# Altium PCB SolderingStation.PcbDoc (part 1 of 2)
Units mm, origin at the board's own origin, x right, y up, seen from the top; angles counter-clockwise.
Board outline 138.15 x 60.81 mm, 2 copper layers (Top Layer, Bottom Layer), stack 1.671 mm thick; 227 components, 141 nets, 684 pads, 483 vias.
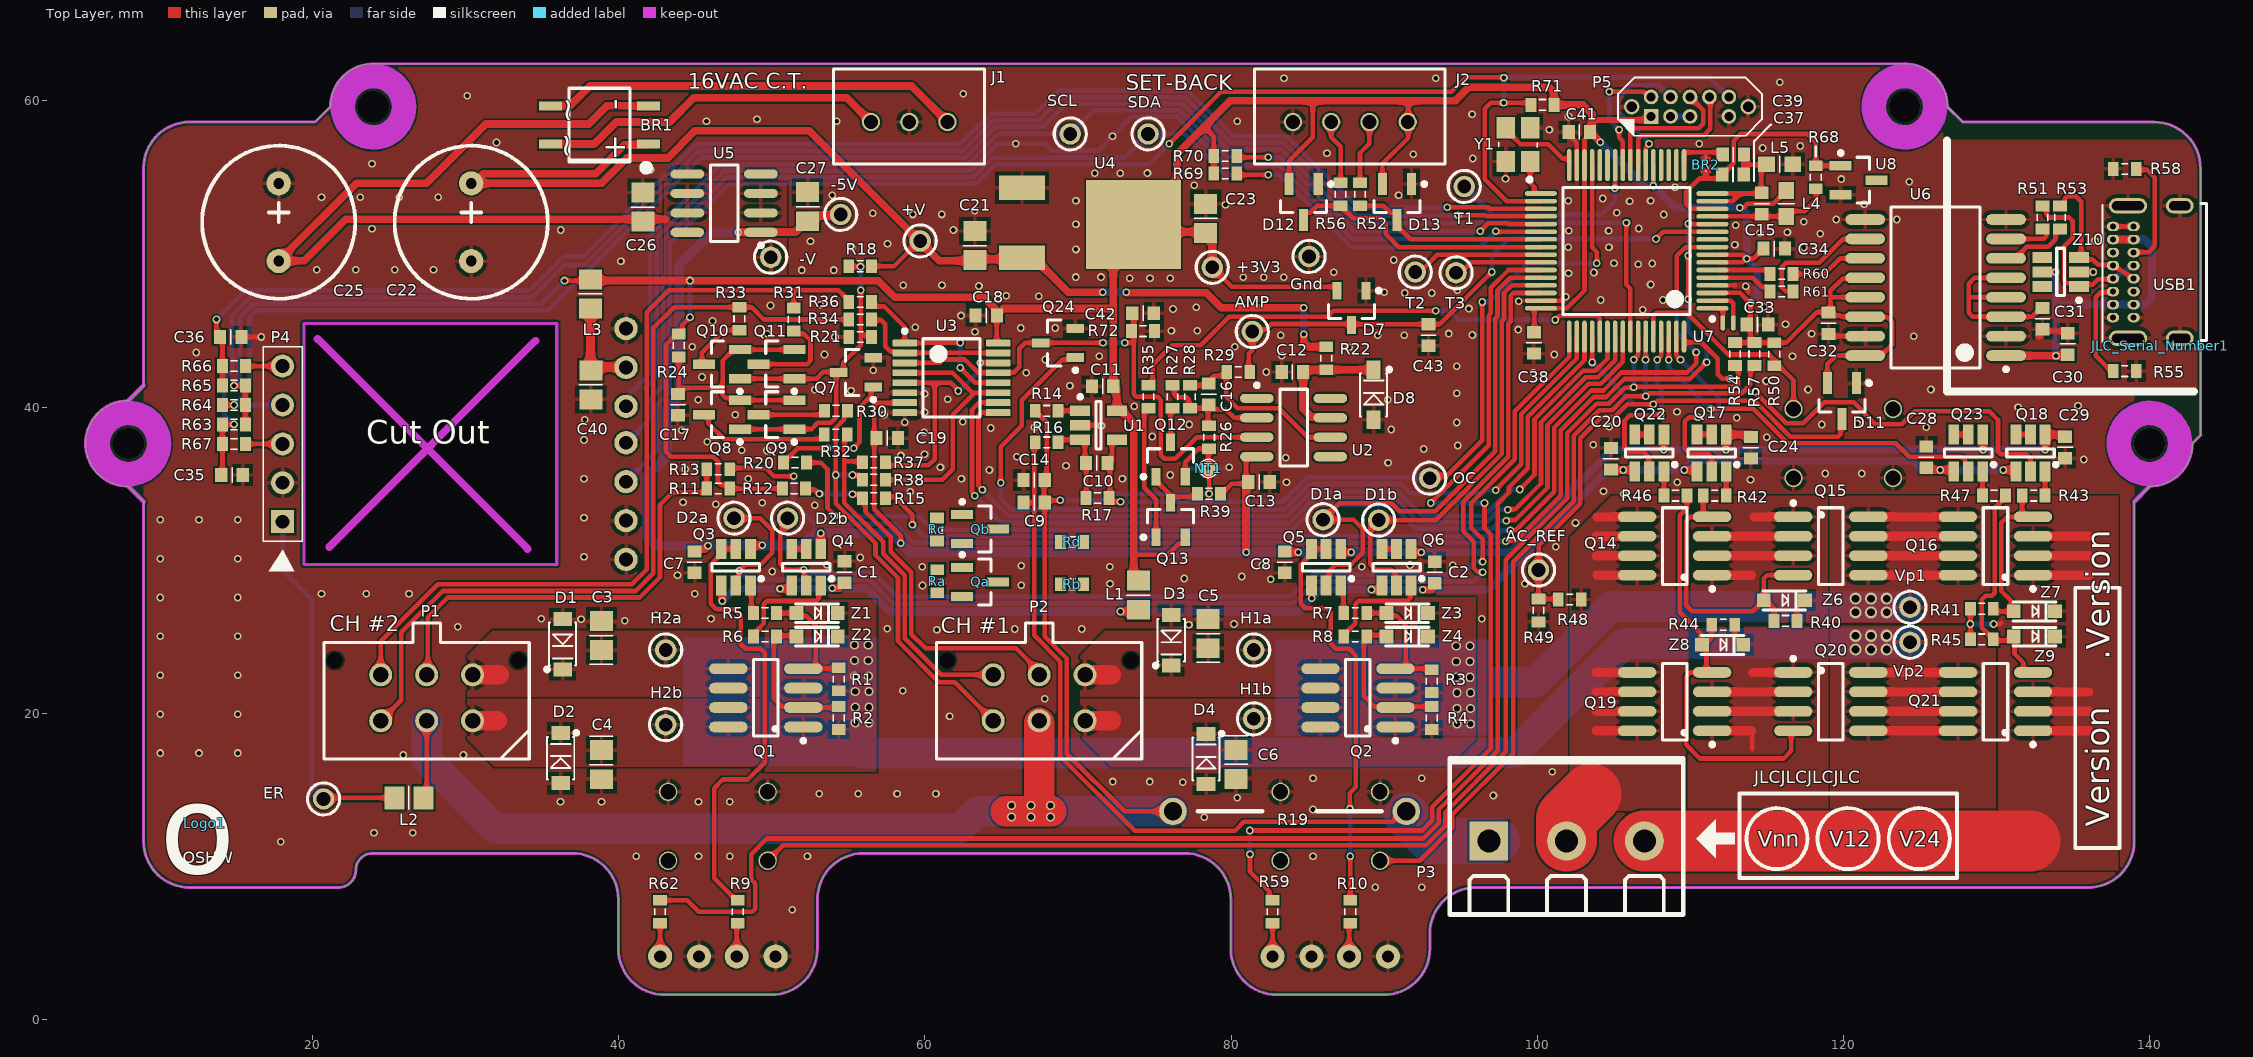
[diagram p0: Top Layer view]
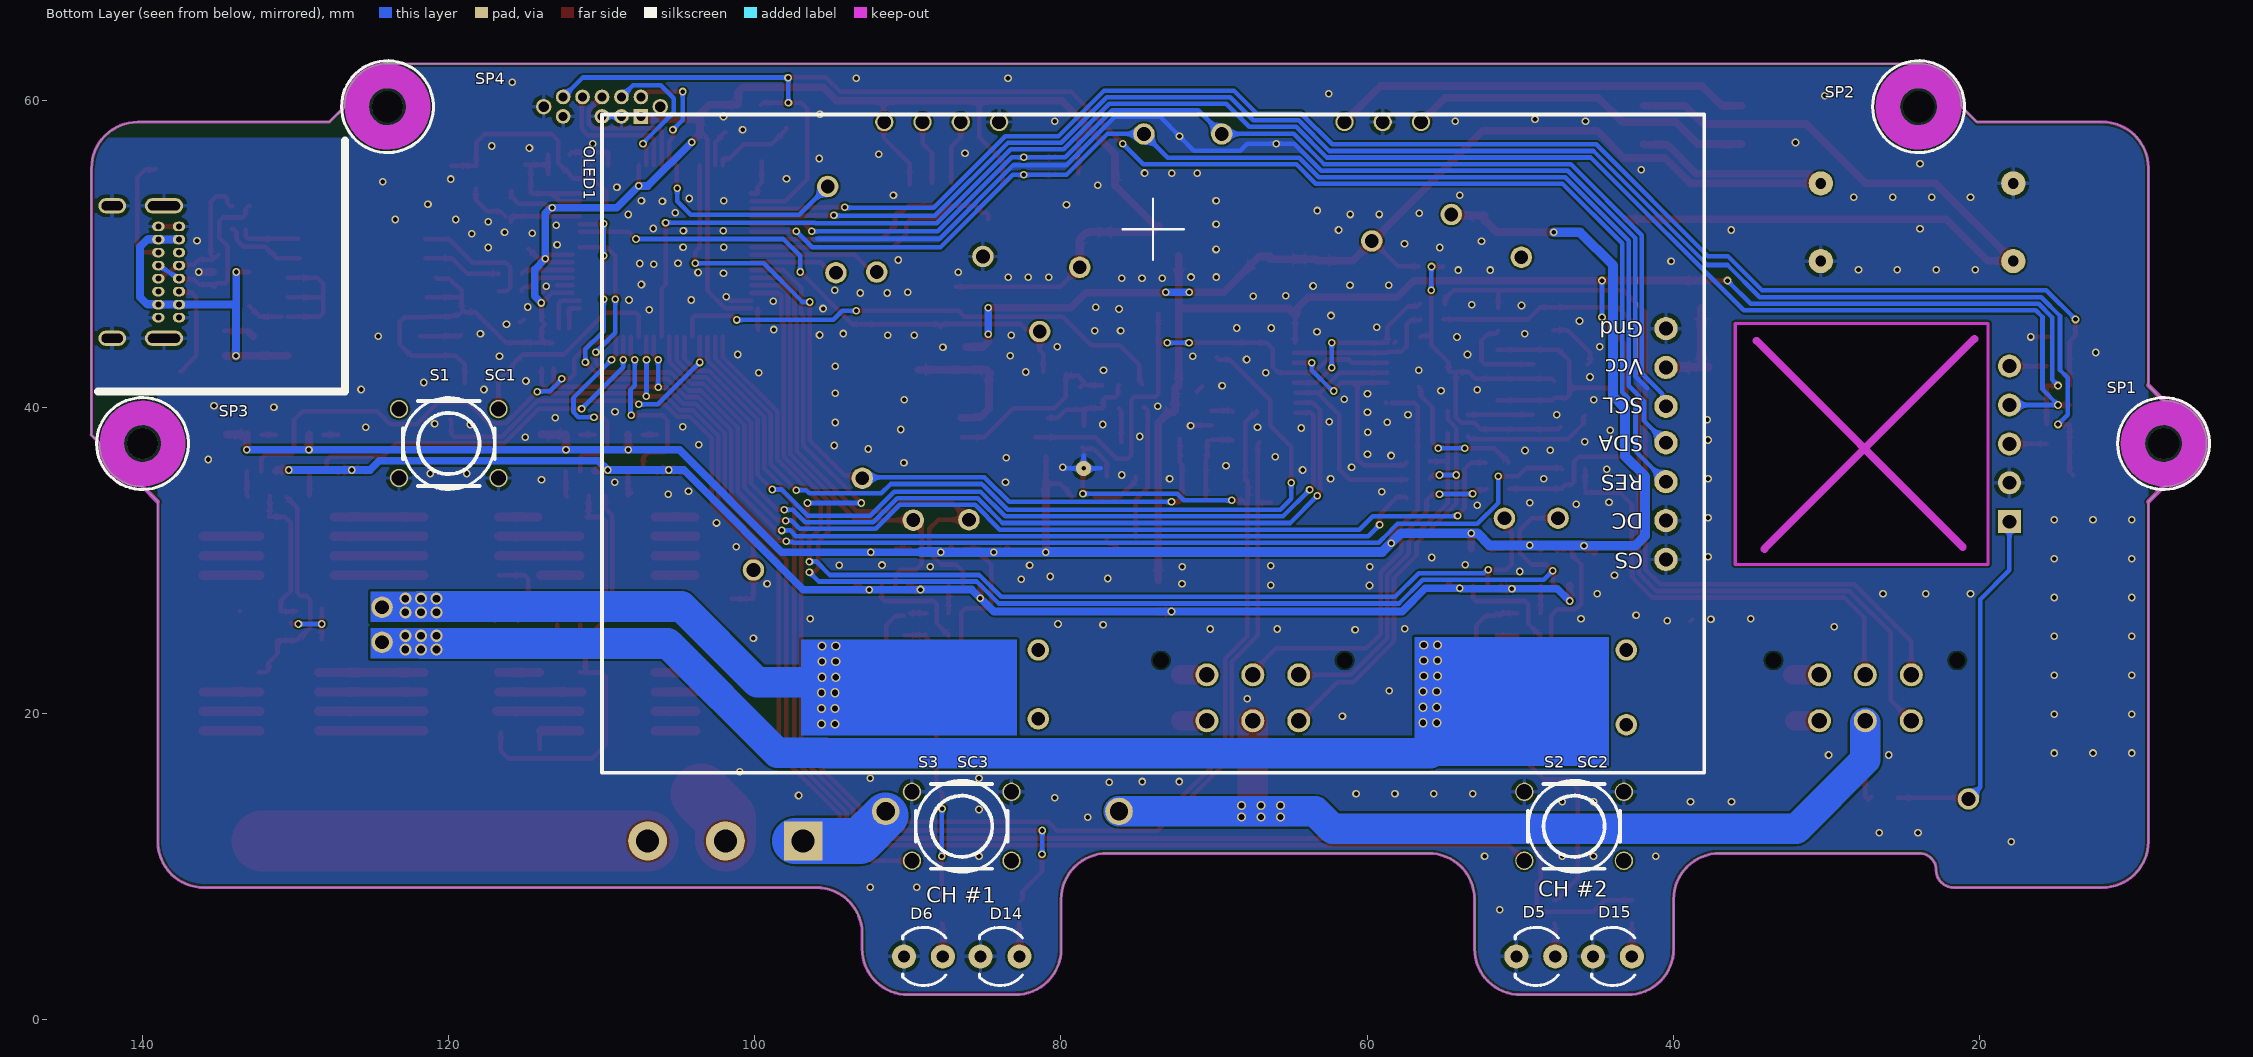
[diagram p1: Bottom Layer view, seen from below]
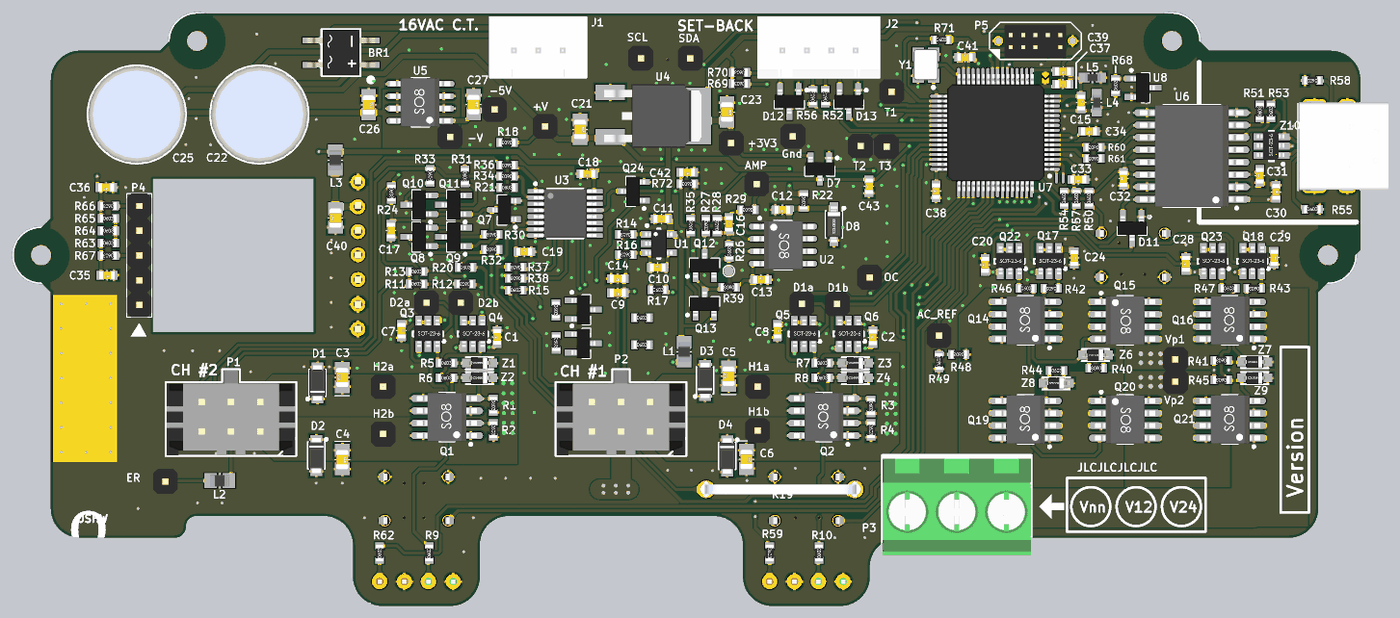
[diagram p3: 3D render of the assembled board from above, using the file's embedded part models]
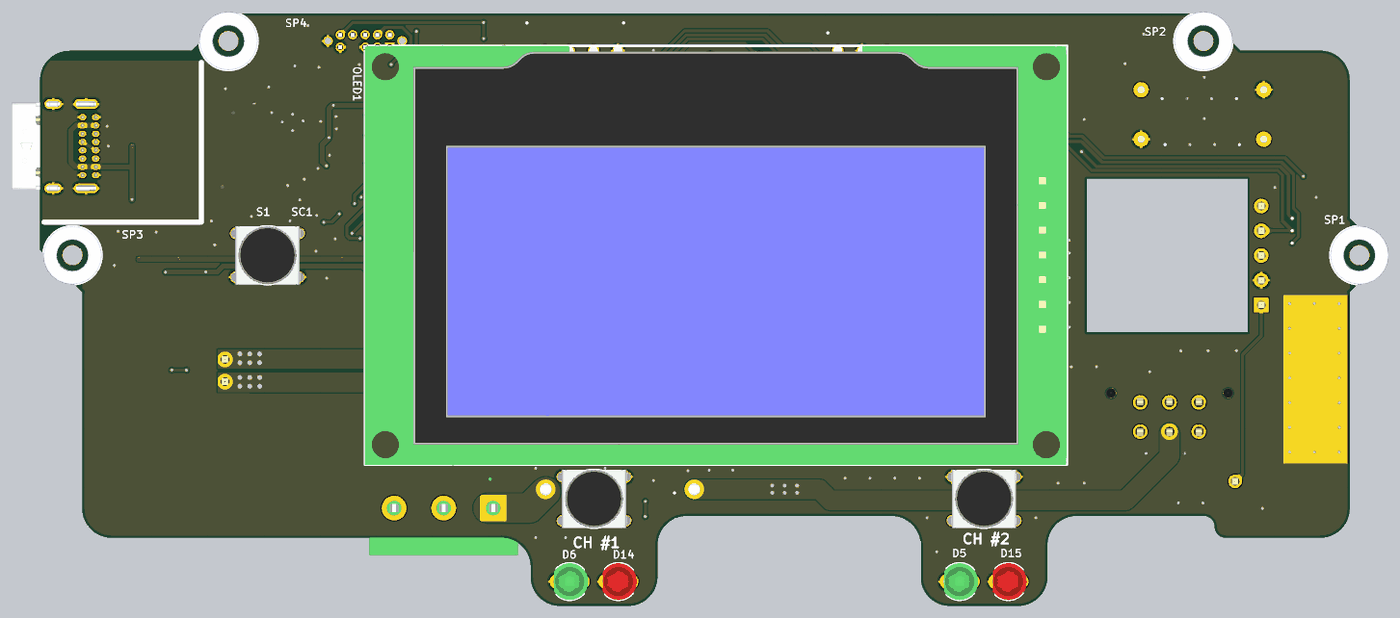
[diagram p4: 3D render of the assembled board from below, using the file's embedded part models]

## Layer stack, top to bottom
Top Solder: solder mask 0.0102, Solder Resist, Dk 3.5
Top Layer: signal copper 0.0356
Dielectric 1: dielectric 1.6, FR-4, Dk 4.8
Bottom Layer: signal copper 0.0356
Bottom Solder: solder mask 0.0102, Solder Resist, Dk 3.5

## Board outline
11.976,8.617 21.69,8.617 ccw(c21.69,9.755) 22.827,9.755 cw(c23.927,9.755) 23.927,10.855 23.927,10.852 36.976,10.852 cw(c36.976,7.852) 39.976,7.852 39.976,4.617 ccw(c42.976,4.617) 42.976,1.617 49.976,1.617 ccw(c49.976,4.617) 52.976,4.617 52.976,7.852 cw(c55.976,7.852) 55.976,10.852 76.976,10.852 cw(c76.976,7.852) 79.976,7.852 79.976,4.617 ccw(c82.976,4.617) 82.976,1.617 89.976,1.617 ccw(c89.976,4.617) 92.976,4.617 92.976,5.617 cw(c95.976,5.617) 95.976,8.617 135.976,8.617 ccw(c135.976,11.617) 138.976,11.617 138.976,33.817 139.976,34.817 ccw(c139.976,37.617) 142.776,37.617 143.33,38.172 143.315,38.172 143.315,55.604 143.305,55.604 ccw(c140.305,55.604) 140.305,58.604 140.305,58.617 127.776,58.617 126.776,59.617 ccw(c123.976,59.617) 123.976,62.417 123.976,62.432 24.049,62.416 ccw(c23.976,59.617) 21.176,59.617 20.176,58.617 11.976,58.617 ccw(c11.976,55.617) 8.976,55.617 8.976,41.417 7.976,40.417 ccw(c7.976,37.617) 7.976,34.817 8.976,33.817 8.976,11.617 ccw(c11.976,11.617)
cut-out: 19.443,29.719 35.953,29.719 35.953,45.467 19.443,45.467

## Design rules (kind name [scope] priority, off if disabled: settings)
Clearance [All] p1: gap=0.127 ignorepadtopadclearanceinfootprint=FALSE
DiffPairsRouting [All] p1: maxlimit=0.254 minlimit=0.254 mostfreqgap=0.254 toplayer_minwidth=0.254 toplayer_maxwidth=0.381 toplayer_prefwidth=0.381 bottomlayer_minwidth=0.254 bottomlayer_maxwidth=0.381 bottomlayer_prefwidth=0.381 maxuncoupledlength=12.7
HoleSize [All] p1: absolutevalues=TRUE maxlimit=3.1 minlimit=0.025 maxpercent=80.000 minpercent=20.000
MinimumSolderMaskSliver [All] p1 off: minsoldermaskwidth=0.254
PolygonConnect PolygonConnect_Via [IsPolygon vs IsVia] p1: connectstyle=Direct reliefconductorwidth=0.254 reliefentries=4 polygonreliefangle="90 Angle" airgapwidth=0.254
PolygonConnect [All] p2: connectstyle=Relief reliefconductorwidth=0.254 reliefentries=4 polygonreliefangle="90 Angle" airgapwidth=0.254
RoomDefinition SolderingStation_Control [InComponentClass('SolderingStation_Control')] p1: confinementstyle=ConfineIn formatcopy=TRUE lockcomponents=FALSE outline 3.734,0 154.203,0 154.203,64.16 3.734,64.16
RoomDefinition SolderingStation_Power [InComponentClass('SolderingStation_Power')] p2: confinementstyle=ConfineIn formatcopy=TRUE lockcomponents=FALSE outline 3.886,0 154.203,0 154.203,63.703 3.886,63.703
RoomDefinition SolderingStation_Processor [InComponentClass('SolderingStation_Processor')] p3: confinementstyle=ConfineIn formatcopy=TRUE lockcomponents=FALSE outline 3.886,0 154.356,0 154.356,63.576 3.886,63.576
RoutingVias [All] p1: holewidth=0.3 width=0.5 viastyle="Through Hole" minholewidth=0 minwidth=0.5 maxholewidth=0.711 maxwidth=1.27
SilkToSilkClearance [All] p1 off: silktosilkclearance=0.254
SilkToSolderMaskClearance [IsPad] p1 off: minsilkscreentomaskgap=0.254 clearancetoexposedcopper=TRUE
SolderMaskExpansion SolderMaskExpansion_Via [IsVia] p1: expansion=0.102 istentingtop=TRUE
SolderMaskExpansion [All] p2: expansion=0.102 istentingtop=FALSE
Width [All] p1: maxlimit=4 minlimit=0.254 preferedwidth=0.254
25 further rules are at their usual default settings.

## Classes and differential pairs
component class SolderingStation_Power: +3V3 +V +V~ -5V -V AC_REF BR1 C20 C21 C22 C23 C24 C25 C26 C27 C28 C29 D11 J1 P3 Q14 Q15 Q16 Q17 Q18 Q19 Q20 Q21 Q22 Q23 Qa Qb R40 R41 R42 R43 R44 R45 R46 R47 R48 R49 Ra Rb Rc Rd SP1 SP2 SP3 SP4 U4 U5 Vp1 Vp2 Z6 Z7 Z8 Z9
component class SolderingStation_Processor: BR2 C15 C30 C31 C32 C33 C34 C35 C36 C37 C38 C39 C40 C41 D12 D13 D14 D15 Gnd J2 JLC_Serial_Number1 L3 L4 L5 Logo1 OLED1 P4 P5 R50 R51 R52 R53 R54 R55 R56 R57 R58 R59 R60 R61 R62 R63 R64 R65 R66 R67 R68 R69 R70 R71 S1 S2 S3 SC1 SC2 SC3 SCL SDA T1 T2 T3 U6 U7 U8 USB1 Y1 Z10
component class SolderingStation_Control: AMP C1 C2 C3 C4 C5 C6 C7 C8 C9 C10 C11 C12 C13 C14 C16 C17 C18 C19 C42 C43 D1 D1a D1b D2 D2a D2b D3 D4 D5 D6 D7 D8 ER H1a H1b H2a H2b L1 L2 NT1 OC P1 P2 Q1 Q2 Q3 Q3xx Q4 Q5 Q6 Q7 Q8 Q9 Q10 Q11 Q12 Q13 Q24 R1 R2 R3 R4 R5 R6 R7 R8 R9 R10 R11 R12 R13 R14 R15 R16 R17 R18 R19 R20 R21 R22 R24 R26 R27 R28 R29 R30 R31 R32 R33 R34 R35 R36 R37 R38 R39 R72 U1 U2 U3 Z1 Z2 Z3 Z4

## Components (designator, comment, footprint, x,y, rotation, side; value= is the part's Value field where it differs from the comment)
+3V3 "+3.3 volt" "PCBPIN - 0.9MM" 78.765,49.124 r90 top
+V "9 volt unregulated" "PCBPIN - 0.9MM" 59.69,50.851 r90 top
-5V "-5 volt" "PCBPIN - 0.9MM" 54.495,52.579 r90 top
-V "-9 volt unregulated" "PCBPIN - 0.9MM" 49.923,49.785 r90 top
AC_REF "Vdd" "PCBPIN - 0.9MM" 100.076,29.358 r90 top
AMP "NTC1" "PCBPIN - 0.9MM" 81.382,44.933 r0 top
BR1 "MB1S" MB1S 38.747,58.421 r180 top
BR2 "Solder Bridge (Open)" SOLDERBRIDGE(OPEN) 110.998,55.804 r270 top
C1 "100nF" CCNP1608-0603_N 54.75,29.22 r90 top
C2 "100nF" CCNP1608-0603_N 93.3,29.196 r90 top
C3 "DNP" CC2012-0805 38.874,25.071 r90 top
C4 "DNP" CC2012-0805 38.874,16.638 r270 top
C5 "DNP" CC2012-0805 78.498,25.198 r90 top
C6 "DNP" CC2012-0805 80.326,16.664 r270 top
C7 "100nF" CCNP1608-0603_N 44.95,29.87 r270 top
C8 "100nF" CCNP1608-0603_N 83.5,29.87 r270 top
C9 "100nF" CCNP1608-0603_N 67.132,33.757 r180 top
C10 "100pF" CCNP1608-0603_N 71.222,36.347 r0 top
C11 "100nF" CCNP1608-0603_N 71.603,41.351 r180 top
C12 "100nF" CCNP1608-0603_N 83.998,42.291 r180 top
C13 "100nF" CCNP1608-0603_N 81.819,35.106 r0 top
C14 "100nF" CCNP1608-0603_N 67.132,35.23 r180 top
C15 "100nF" CCNP1608-0603_N 114.656,53.289 r270 top
C16 "100pF" CCNP1608-0603_N 78.537,40.843 r90 top
C17 "100nF" CCNP1608-0603_N 43.866,40.157 r90 top
C18 "100nF" CCNP1608-0603_N 64.008,45.974 r180 top
C19 "100nF" CCNP1608-0603_N 57.543,37.974 r0 top
C20 "100nF" CCNP1608-0603_N 104.8,36.627 r90 top
C21 "2.2uF" CCNP2012-0805 63.258,50.547 r270 top
C22 "470uF/25V" RB5/10X13MM 30.365,52.071 r270 top
C23 "10uF" CCNP2012-0805 78.334,52.324 r270 top
C24 "100nF" CCNP1608-0603_N 113.944,37.338 r270 top
C25 "270uF/25V" RB5/10X13MM 17.792,52.071 r270 top
C26 "2.2uF" CCNP2012-0805 41.58,53.061 r270 top
C27 "10uF" CCNP2012-0805 52.336,53.087 r270 top
C28 "100nF" CCNP1608-0603_N 125.4,36.728 r90 top
C29 "100nF" CCNP1608-0603_N 134.468,37.363 r270 top
C30 "100nF" CCNP1608-0603_N 134.644,44.123 r270 top
C31 "100nF" CCNP1608-0603_N 132.993,45.774 r90 top
C32 "100nF" CCNP1608-0603_N 119.011,45.467 r90 top
C33 "100nF" CCNP1608-0603_N 114.376,45.39 r180 top
C34 "2.2uF" CCNP1608-0603_N 115.467,50.346 r180 top
C35 "1nF" CCNP1608-0603_N 14.744,35.561 r180 top
C36 "1nF" CCNP1608-0603_N 14.656,44.578 r180 top
C37 "100nF" CCNP1608-0603_N 112.776,55.194 r180 top
C38 "100nF" CCNP1608-0603_N 99.771,44.191 r90 top
C39 "100nF" CCNP1608-0603_N 112.801,56.49 r180 top
C40 "10uF" CCNP2012-0805 38.176,41.448 r90 top
C41 "100nF" CCNP1608-0603_N 102.743,57.958 r0 top
C42 "100pF" CCNP1608-0603_N 74.244,46.126 r180 top
C43 "33nF" CCNP1608-0603_N 92.888,44.704 r90 top
D1 "SM4007PL" SOD-123FL 36.334,24.512 r90 top
D1a "Drive1" "PCBPIN - 0.9MM" 86.004,32.639 r0 top
D1b "Drive2" "PCBPIN - 0.9MM" 89.637,32.614 r0 top
D2 "SM4007PL" SOD-123FL 36.207,17.07 r270 top
D2a "Drive2" "PCBPIN - 0.9MM" 47.523,32.741 r0 top
D2b "Drive2" "PCBPIN - 0.9MM" 51.029,32.741 r0 top
D3 "SM4007PL" SOD-123FL 76.085,24.766 r90 top
D4 "SM4007PL" SOD-123FL 78.359,17.018 r270 top
D5 "LED" "LED3MM-GREEN - 10MM PROUD" 48.976,4.117 r0 bottom locked
D6 "LED" "LED3MM-GREEN - 10MM PROUD" 88.976,4.117 r0 bottom locked
D7 "BAV199LT1G" SOT23_N 87.859,46.482 r90 top
D8 "BZT52C6V2" SOD-123 89.3,40.8 r270 top
D11 "BAV199LT1G" SOT23_M 119.888,40.386 r90 top
D12 "BAV199LT1G" SOT23_M 84.733,53.394 r90 top
D13 "BAV199LT1G" SOT23_M 90.829,53.394 r90 top
D14 "LED" "LED3MM-RED - 10MM PROUD" 83.976,4.117 r0 bottom locked
D15 "LED" "LED3MM-RED - 10MM PROUD" 43.976,4.117 r0 bottom locked
ER "Gnd" "PCBPIN - 0.9MM" 20.725,14.405 r0 top
Gnd "Gnd" "PCBPIN - 0.9MM" 85.09,49.835 r90 top
H1a "Heater1" "PCBPIN - 0.9MM" 81.469,24.131 r0 top
H1b "Heater2" "PCBPIN - 0.9MM" 81.469,19.636 r90 top
H2a "Heater2" "PCBPIN - 0.9MM" 43.065,24.131 r0 top
H2b "Heater2" "PCBPIN - 0.9MM" 43.065,19.254 r90 top
J1 "JST XH Connector, 3-Pin" JST-B3B-XH-AX 58.976,58.617 r180 top
J2 "JST XH Connector, 4-Pin" JST-B4B-XH-AX 87.781,58.617 r180 top
JLC_Serial_Number1 "JLC_Serial_Number" JLC_SERIAL_NUMBER 140.687,44.004 r180 top
L1 "Ferrite Bead 600R@100MHz" FB2012-0805 73.939,27.711 r270 top
L2 "Ferrite Bead 600R@100MHz" FB2012-0805 26.301,14.479 r0 top
L3 "Ferrite Bead 600R@100MHz" FB2012-0805 38.151,47.392 r270 top
L4 "Ferrite Bead 600R@100MHz" FB1608-0603 116.256,53.289 r90 top
L5 "Ferrite Bead 600R@100MHz" FB1608-0603 115.824,55.855 r180 top
Logo1 "OSHW Logo" OSHW 12.966,12.828 r0 top
NT1 "NetTieVia" NETTIEVIA 78.511,35.992 r90 top net-tie
OC "Overcurrent" "PCBPIN - 0.9MM" 92.964,35.352 r0 top
OLED1 "OLED_Display" "OLED_DISPLAY_128X64_2.4INCH - NO MOUNTING HOLES" 73.976,37.617 r0 bottom locked
P1 "MOLEX-43045-0612" MOLEX-43045-0612 27.456,21.009 r0 top locked
P2 "MOLEX-43045-0612" MOLEX-43045-0612 67.461,21.009 r0 top locked
P3 "Terminal3" MOLEX-39544-3003 96.825,11.659 r270 top locked
P4 "Header, 5-Pin" HDR1X5S 18.046,32.513 r90 top locked
P5 "SWD Connector 2x5-Pin" SWD-2X5-JIG-HEADER 107.427,58.982 r0 top
Q1 "DMP4025LSD-13" SO-8_M 49.607,21.009 r90 top
Q2 "DMP4025LSD-13" SO-8_M 88.277,21.009 r90 top locked
Q3 "IMD2AT108" "SOT457_M - MIRROR" 47.65,29.54 r90 top
Q4 "IMD2AT108" "SOT457_M - MIRROR" 52.25,29.54 r90 top
Q5 "IMD2AT108" "SOT457_M - MIRROR" 86.2,29.54 r90 top
Q6 "IMD2AT108" "SOT457_M - MIRROR" 90.8,29.54 r90 top
Q7 "MMBT3904LT1G" SOT23_N 55.499,42.266 r0 top
Q8 "BSS84" SOT23_M 46.748,39.498 r0 top
Q9 "BSS84" SOT23_M 50.304,39.498 r0 top
Q10 "BSS84" SOT23_M 46.748,42.8 r0 top
Q11 "BSS84" SOT23_M 50.304,42.8 r0 top
Q12 "BSH103" SOT23_N 76.048,36.576 r270 top
Q13 "MMBT3906LT1G" SOT23_N 76.048,32.614 r270 top
Q14 "FDS4675" SO-8_M 108.966,30.923 r90 top
Q15 "FDS4675" SO-8_M 119.163,30.923 r270 top
Q16 "FDS4675" SO-8_M 129.921,30.923 r90 top
Q17 "IMD2AT108" "SOT457_M - MIRROR" 111.379,37.003 r90 top
Q18 "IMD2AT108" "SOT457_M - MIRROR" 132.207,37.003 r90 top
Q19 "FDS4675" SO-8_M 108.966,20.763 r90 top
Q20 "FDS4675" SO-8_M 119.163,20.763 r270 top
Q21 "FDS4675" SO-8_M 129.921,20.763 r90 top
Q22 "IMD2AT108" "SOT457_M - MIRROR" 107.315,37.003 r90 top
Q23 "IMD2AT108" "SOT457_M - MIRROR" 128.143,37.003 r90 top
Q24 "BSH103" SOT23_N 68.7,44.186 r0 top
Qa "DNP" SOT23_M 63.601,28.575 r180 top
Qb "DNP" SOT23_M 63.601,32.029 r180 top
R1 "4.7k" CR1608-0603_N 54.368,22.226 r270 top
R2 "4.7k" CR1608-0603_N 54.368,19.686 r270 top
R3 "4.7k" CR1608-0603_N 93.103,22.099 r270 top
R4 "4.7k" CR1608-0603_N 93.103,19.686 r270 top
R5 "4.7k" CR1608-0603_N 49.55,26.55 r0 top
R6 "4.7k" CR1608-0603_N 49.55,25.02 r0 top
R7 "4.7k" CR1608-0603_N 88.1,26.55 r0 top
R8 "4.7k" CR1608-0603_N 88.1,25.02 r0 top
R9 "470R" CR1608-0603_N 47.776,7.039 r90 top
R10 "470R" CR1608-0603_N 87.781,7.039 r90 top
R11 "10k" CR1608-0603_N 46.494,34.672 r0 top
R12 "10k" CR1608-0603_N 51.447,34.672 r180 top
R13 "10k" CR1608-0603_N 46.494,35.942 r0 top
R14 "10k" CR1608-0603_N 67.945,39.751 r180 top
R15 "10k" CR1608-0603_N 56.667,34.037 r0 top
R16 "10k" CR1608-0603_N 67.945,37.694 r180 top
R17 "22k" CR1608-0603_N 71.272,34.061 r0 top
R18 "10k" CR1608-0603_N 55.765,49.2 r180 top
R19 "OAR3-R050FI" OAR3-R050FI 83.82,13.589 r180 top
R20 "10k" CR1608-0603_N 51.511,36.373 r0 top
R21 "22K" CR1608-0603_N 55.765,44.577 r0 top value=22k
R22 "100R" CR1608-0603_N 86.208,43.18 r270 top
R24 "10R" CR1608-0603_N 43.917,44.018 r270 top
R26 "10k" CR1608-0603_N 78.56,38.027 r90 top
R27 "100R" CR1608-0603_N 76.175,40.665 r270 top
R28 "10k" CR1608-0603_N 77.318,40.665 r90 top
R29 "100R" CR1608-0603_N 80.467,42.291 r180 top
R30 "22k" CR1608-0603_N 54.19,39.752 r180 top
R31 "22k" CR1608-0603_N 51.435,45.72 r270 top
R32 "22k" CR1608-0603_N 54.178,38.202 r180 top
R33 "22k" CR1608-0603_N 47.879,45.771 r270 top
R34 "3.3k" CR1608-0603_N 55.765,45.721 r180 top
R35 "10k" CR1608-0603_N 74.6,40.665 r90 top
R36 "3.3k" CR1608-0603_N 55.765,46.864 r180 top
R37 "3.3k" CR1608-0603_N 56.667,36.398 r180 top
R38 "3.3k" CR1608-0603_N 56.667,35.255 r180 top
R39 "22K" CR1608-0603_N 78.556,34.336 r180 top value=22k
R40 "39k" CR1608-0603_N 116.205,26.035 r180 top
R41 "39k" CR1608-0603_N 129.032,26.827 r180 top
R42 "4.7k" CR1608-0603_N 111.582,34.214 r180 top
R43 "4.7k" CR1608-0603_N 132.41,34.214 r180 top
R44 "39k" CR1608-0603_N 112.141,25.781 r0 top
R45 "39k" CR1608-0603_N 129.032,24.827 r180 top
R46 "4.7k" CR1608-0603_N 109.017,34.214 r0 top
R47 "4.7k" CR1608-0603_N 129.819,34.214 r0 top
R48 "15K" CR1608-0603_N 102.108,27.432 r180 top value=15k
R49 "4.3k" CR1608-0603_N 100.076,26.716 r90 top
R50 "10K" CR1608-0603_N 115.468,43.455 r90 top value=10k
R51 "33R" CR1608-0603_N 132.993,52.378 r90 top
R52 "1K" CR1608-0603_N 88.416,53.902 r90 top value=1k
R53 "33R" CR1608-0603_N 134.136,52.378 r90 top
R54 "10K" CR1608-0603_N 112.903,43.459 r90 top value=10k
R55 "5.1k" CR1608-0603_N 138.365,42.345 r0 top
R56 "1K" CR1608-0603_N 87.146,53.902 r90 top value=1k
R57 "10K" CR1608-0603_N 114.172,43.459 r90 top value=10k
R58 "5.1k" CR1608-0603_N 138.365,55.553 r180 top
R59 "470R" CR1608-0603_N 82.701,7.039 r270 top
R60 "33R" CR1608-0603_N 115.949,48.695 r180 top
R61 "33R" CR1608-0603_N 115.949,47.552 r180 top
R62 "470R" CR1608-0603_N 42.696,7.039 r90 top
R63 "10K" CR1608-0603_N 14.871,38.863 r0 top value=10k
R64 "10K" CR1608-0603_N 14.871,40.133 r0 top value=10k
R65 "10K" CR1608-0603_N 14.871,41.403 r0 top value=10k
R66 "33R" CR1608-0603_N 14.871,42.673 r180 top
R67 "33R" CR1608-0603_N 14.871,37.593 r180 top
R68 "1K" CR1608-0603_N 118.186,55.016 r90 top value=1k
R69 "4.7k" CR1608-0603_N 79.615,55.246 r180 top
R70 "4.7k" CR1608-0603_N 79.615,56.389 r180 top
R71 "10K" CR1608-0603_N 100.33,59.736 r0 top value=10k
R72 "1M" CR1608-0603_N 74.244,44.958 r180 top
Ra "DNP" CR1608-0603_N 60.808,28.626 r270 top
Rb "DNP" CR1608-0603_N 69.6,28.423 r0 top
Rc "DNP" CR1608-0603_N 60.782,32.004 r270 top
Rd "DNP" CR1608-0603_N 69.6,31.191 r0 top
S1 "SW_PB-B3F1052" SW_MIN_PB-B3F1052 119.976,37.617 r180 bottom locked
S2 "SW_PB-B3F1052" SW_MIN_PB-B3F1052 46.476,12.617 r0 bottom locked
S3 "SW_PB-B3F1052" SW_MIN_PB-B3F1052 86.476,12.617 r0 bottom locked
SC1 "B32-2010" SW-CAP-B32-2010 119.976,37.617 r180 bottom locked
SC2 "B32-2010" SW-CAP-B32-2010 46.476,12.617 r180 bottom locked
SC3 "B32-2010" SW-CAP-B32-2010 86.476,12.617 r180 bottom locked
SCL "SCL" "PCBPIN - 0.9MM" 69.493,57.839 r90 top
SDA "SDA" "PCBPIN - 0.9MM" 74.573,57.839 r90 top
SP1 "6MM Spacer" "SPACER-2MM DIA X 6MM" 7.976,37.617 r180 bottom locked
SP2 "6MM Spacer" "SPACER-2MM DIA X 6MM" 23.976,59.617 r180 bottom locked
SP3 "6MM Spacer" "SPACER-2MM DIA X 6MM" 139.976,37.617 r180 bottom locked
SP4 "6MM Spacer" "SPACER-2MM DIA X 6MM" 123.976,59.617 r180 bottom locked
T1 "PTA4" "PCBPIN - 0.9MM" 95.225,54.407 r0 top
T2 "PTB18" "PCBPIN - 0.9MM" 92.024,48.814 r0 top
T3 "PTB19" "PCBPIN - 0.9MM" 94.691,48.768 r0 top
U1 "MCP6001UT-I/OT" SOT23-5_M 71.335,38.813 r180 top
U2 "OPA189ID" SOIC127P600-8N 84.08,38.662 r0 top
U3 "74HC4052PW-Q100,11" TSSOP16_M 61.734,41.911 r0 top
U4 "NCP1117DT33T5G" TO-252 69.977,52.045 r180 top
U5 "MC79L05ACD" SOIC127P600-8N 46.887,53.316 r180 top
U6 "ADuM4160BRIZ" SOIC127P1030-16M 126.008,47.806 r180 top
U7 "MK20DX256VLH7" TSQFP50P1200X1200-64M 105.827,50.199 r180 top locked
U8 "LM4040BIM3-3.0/NOPB" SOT23_M 120.98,54.813 r180 top
USB1 "USB4085-GF-A" USB4085-GF-A 139.776,48.817 r180 top locked
Vp1 "VpCH1" "PCBPIN - 0.9MM" 124.333,26.924 r0 top
Vp2 "VpCh2" "PCBPIN - 0.9MM" 124.333,24.638 r0 top
Y1 "16 MHz" CRYSTAL_SMD_3.2X2.5 98.731,57.138 r90 top
Z1 "BZT52C12S-7-F" SOD-323 52.95,26.55 r180 top
Z2 "BZT52C12S-7-F" SOD-323 52.95,25.02 r180 top
Z3 "BZT52C12S-7-F" SOD-323 91.5,26.55 r180 top
Z4 "BZT52C12S-7-F" SOD-323 91.5,25.02 r180 top
Z6 "BZT52C12S-7-F" SOD-323 116.129,27.381 r180 top
Z7 "BZT52C12S-7-F" SOD-323 132.461,26.67 r180 top
Z8 "BZT52C12S-7-F" SOD-323 112.09,24.486 r180 top
Z9 "BZT52C12S-7-F" SOD-323 132.461,25.019 r180 top
Z10 "CM1293A-04SO" "SOT457_M - 180" 134.174,48.822 r0 top
